# Altium PCB OpenRec.PcbDoc (part 1 of 4) (continued)
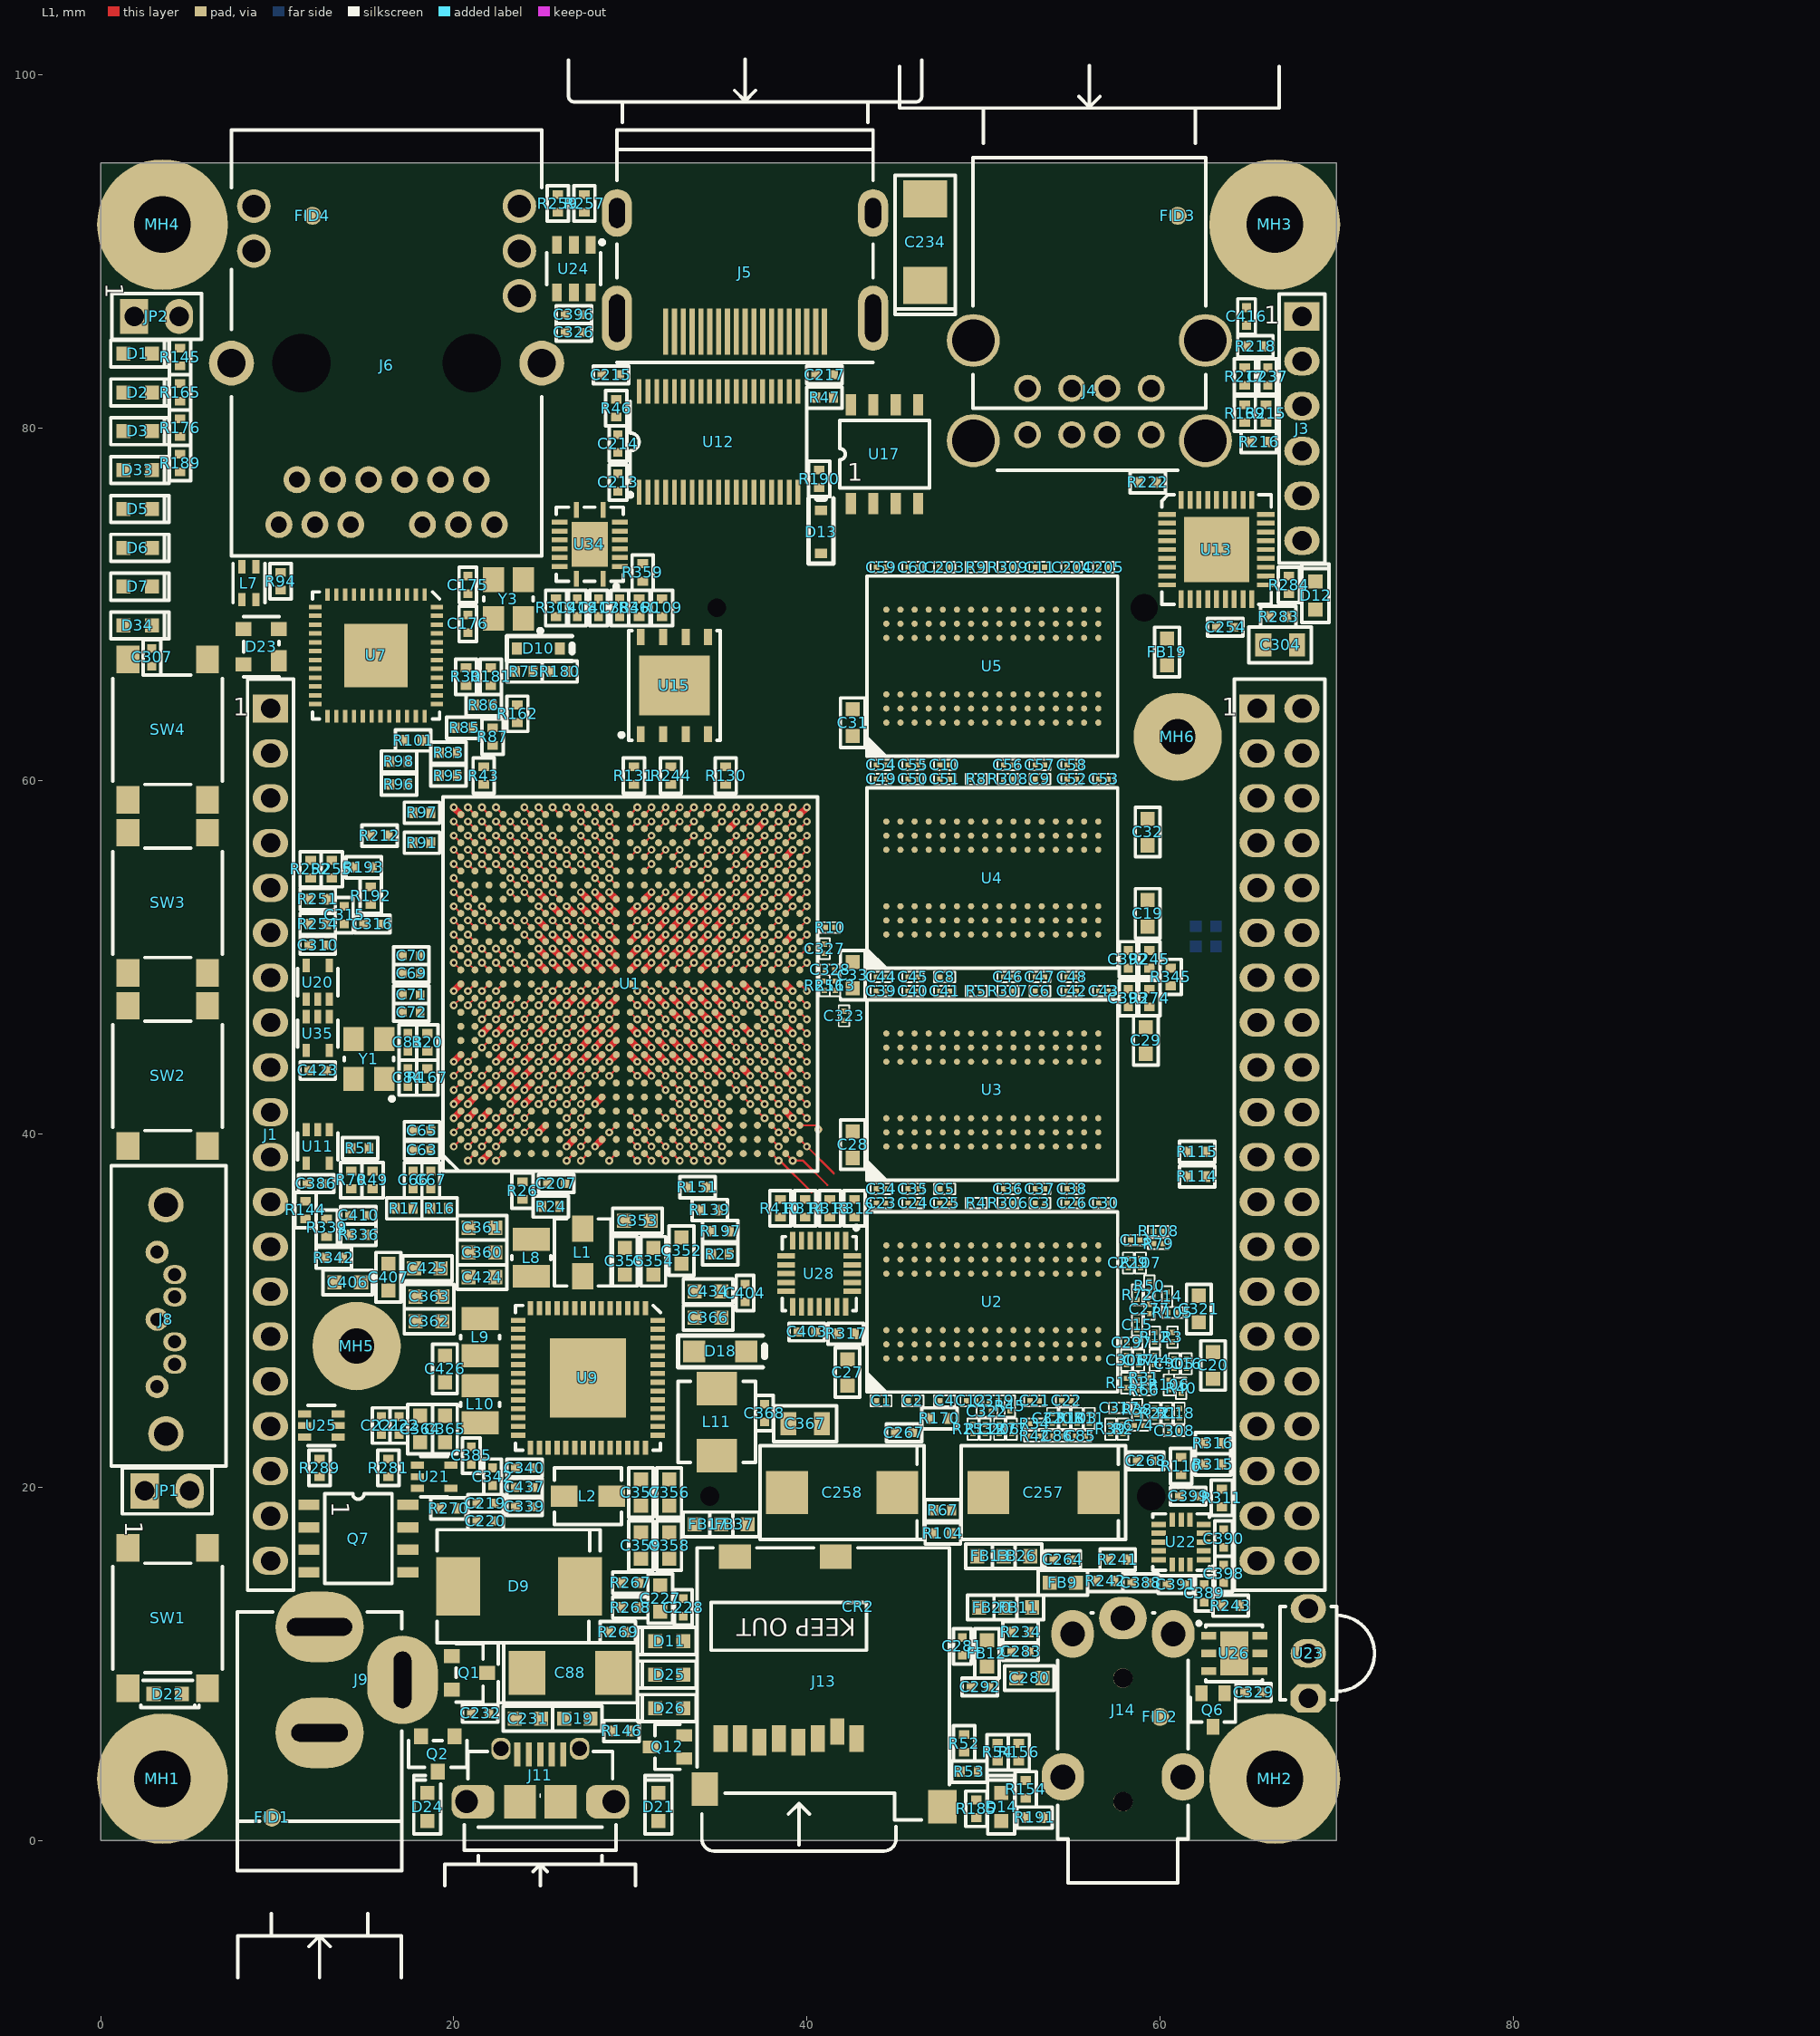
[diagram p0: L1 view]
## Design rules (kind name [scope] priority, off if disabled: settings) (continued)
Width DiffPair_DIFF90Width [InDifferentialPairClass('DIFF90')] p2: maxlimit=0.2 minlimit=0.114 preferedwidth=0.2 toplayer_maxwidth=0.114 toplayer_prefwidth=0.114 midlayer1_minwidth=0.13 midlayer1_maxwidth=0.13 midlayer1_prefwidth=0.13 midlayer2_minwidth=0.2 midlayer3_minwidth=0.2 midlayer4_minwidth=0.13 midlayer4_maxwidth=0.13 midlayer4_prefwidth=0.13 midlayer5_minwidth=0.2 midlayer6_minwidth=0.2 bottomlayer_maxwidth=0.114 bottomlayer_prefwidth=0.114 substack1={54A04105-FA12-4290-B534-276521ACAEA2} substack2={CB435ABD-4C74-406A-9DA6-1760DBE9B1C2} minimp=50.000000 maximp=50.000000 favimp=50.000000
Width "Width Power" [InNet('+VIN') OR InNet('+5V') OR InNet('+3V3') OR InNet('+1V5_DDR') OR InNet('+1V375_CORE') OR InNet('+1V375_SOC') OR InNet('+2V5')] p3: maxlimit=4 minlimit=0.2 preferedwidth=0.4 substack1={54A04105-FA12-4290-B534-276521ACAEA2} substack2={CB435ABD-4C74-406A-9DA6-1760DBE9B1C2}
Width "Width Ground" [InNet('GND')] p4: maxlimit=40 minlimit=0.23 preferedwidth=0.4 substack1={54A04105-FA12-4290-B534-276521ACAEA2} substack2={CB435ABD-4C74-406A-9DA6-1760DBE9B1C2}
Width [All] p5: maxlimit=2 minlimit=0.114 preferedwidth=0.15 toplayer_prefwidth=0.12 midlayer1_minwidth=0.12 midlayer1_prefwidth=0.12 midlayer2_minwidth=0.15 midlayer3_minwidth=0.15 midlayer4_minwidth=0.12 midlayer4_prefwidth=0.12 midlayer5_minwidth=0.15 midlayer6_minwidth=0.15 bottomlayer_prefwidth=0.12 substack1={54A04105-FA12-4290-B534-276521ACAEA2} substack2={CB435ABD-4C74-406A-9DA6-1760DBE9B1C2} minimp=50.000000 maximp=50.000000 favimp=50.000000
20 further rules are at their usual default settings.

## Classes and differential pairs
component class "Room Definition 1": U1
net class VID_IN_CSI1: I2C3_CSI1_SCL I2C3_CSI1_SDA VID_IN_CSI1_D0 VID_IN_CSI1_D1 VID_IN_CSI1_D2 VID_IN_CSI1_D3 VID_IN_CSI1_D4 VID_IN_CSI1_D5 VID_IN_CSI1_D6 VID_IN_CSI1_D7 VID_IN_CSI1_D8 VID_IN_CSI1_D9 VID_IN_CSI1_D10 VID_IN_CSI1_D11 VID_IN_CSI1_D12 VID_IN_CSI1_D13 VID_IN_CSI1_D14 VID_IN_CSI1_D15 VID_IN_CSI1_D16 VID_IN_CSI1_D17 VID_IN_CSI1_D18 VID_IN_CSI1_D19 VID_IN_CSI1_DE VID_IN_CSI1_HSYNC VID_IN_CSI1_INT VID_IN_CSI1_INT2 VID_IN_CSI1_PIXCLK VID_IN_CSI1_PIXCLK_R VID_IN_CSI1_RSTN_R VID_IN_CSI1_VSYNC
net class SD2: SD2_ACT SD2_CD SD2_CLK SD2_CLK_R SD2_CMD SD2_CMD_R SD2_DATA0 SD2_DATA1 SD2_DATA2 SD2_DATA3 SD2_WP
net class UART5: UART5_RXD UART5_TXD
net class UART4: UART4_RXD UART4_TXD
net class UART3: UART3_CTS UART3_RTS UART3_RXD UART3_TXD
net class UART2: UART2_RXD UART2_TXD
net class I2C3: I2C3_SCL I2C3_SDA
net class I2C2: I2C2_SCL I2C2_SDA
net class I2C1: I2C1_SCL I2C1_SDA
net class CSPI3: CSPI3_CLK CSPI3_CLK_R CSPI3_CS0 CSPI3_CS2 CSPI3_MCU_CLK CSPI3_MCU_CS0 CSPI3_MCU_ENN CSPI3_MCU_MISO CSPI3_MCU_MOSI CSPI3_MISO CSPI3_MOSI
net class CSPI2: CSPI2_CLK CSPI2_CLK_R CSPI2_CS0 CSPI2_MISO CSPI2_MOSI
net class CSPI1: CSPI1_CLK CSPI1_CLK_R CSPI1_CS0 CSPI1_CS1 CSPI1_MISO CSPI1_MOSI
net class AUD3: AUD3_CLK AUD3_CLK_R AUD3_RXD AUD3_TXC AUD3_TXC_R AUD3_TXD AUD3_TXFS
net class TS: TS_X+ TS_X- TS_Y+ TS_Y-
net class "CSI / LVDS": CSI_CLK0_R_N CSI_CLK0_R_P CSI_D0_R_N CSI_D0_R_P CSI_D1_R_N CSI_D1_R_P I2C2_CSI_SCL I2C2_CSI_SDA LVDS0_CLK_R_N LVDS0_CLK_R_P
differential pair class DIFF100: CAN CSI_CLK0 CSI_CLK0_R CSI_D0 CSI_D0_R CSI_D1 CSI_D1_R DRAM_CLK0 DRAM_CLK1 DRAM_DQS0 DRAM_DQS1 DRAM_DQS2 DRAM_DQS3 DRAM_DQS4 DRAM_DQS5 DRAM_DQS6 DRAM_DQS7 HDMI_CLK HDMI_D0 HDMI_D1 HDMI_D2 LVDS0_CLK LVDS0_CLK_R LVDS0_TX0 LVDS0_TX1 LVDS0_TX2 LVDS0_TX3 PCIE_CLK PCIE_CLK_C SATA_C_RX SATA_C_TX SATA_RX SATA_TX TRD0 TRD1 TRD2 TRD3
differential pair class DIFF90: PCIE_C_TX PCIE_RX PCIE_TX USB0 USB0_OTG USB0_OTG_L USB1 USB1_HUB USB_BOT USB_BOT_L USB_HDR USB_HDR_L USB_MCU USB_MCU_R USB_MPCIE USB_MPCIE_L USB_TOP USB_TOP_L USBDN1 USBDN2 USBDN3
net class USB1: USB1_HUB_N USB1_HUB_P USB1_N USB1_P USB_BOT_L_N USB_BOT_L_P USB_BOT_N USB_BOT_P USB_HDR_L_N USB_HDR_L_P USB_HDR_N USB_HDR_P USB_MCU_N USB_MCU_P USB_MCU_R_N USB_MCU_R_P USB_MPCIE_L_N USB_MPCIE_L_P USB_MPCIE_N USB_MPCIE_OC USB_MPCIE_P USB_TOP_L_N USB_TOP_L_P USB_TOP_N USB_TOP_P USBDN1_N USBDN1_OC USBDN1_P USBDN1_PWR_EN USBDN2_N USBDN2_OC USBDN2_P USBDN2_PWR_EN USBDN3_N USBDN3_OC USBDN3_P
net class USB0: USB0_CHD USB0_ID USB0_ID_BUFF_EN USB0_N USB0_OTG_L_N USB0_OTG_L_P USB0_OTG_N USB0_OTG_P USB0_P USB_OC
net class UART1: UART1_CTS UART1_CTS_FTDI UART1_RTS UART1_RTS_FTDI UART1_RXD UART1_RXD_FTDI UART1_TXD UART1_TXD_FTDI
net class SATA: SATA_C_RX_N SATA_C_RX_P SATA_C_TX_N SATA_C_TX_P SATA_REXT SATA_RX_N SATA_RX_P SATA_TX_N SATA_TX_P
net class DIFF100: CAN_N CAN_P CSI_CLK0_N CSI_CLK0_P CSI_CLK0_R_N CSI_CLK0_R_P CSI_D0_N CSI_D0_P CSI_D0_R_N CSI_D0_R_P CSI_D1_N CSI_D1_P CSI_D1_R_N CSI_D1_R_P DRAM_CLK0_N DRAM_CLK0_P DRAM_CLK1_N DRAM_CLK1_P DRAM_DQS0_N DRAM_DQS0_P DRAM_DQS1_N DRAM_DQS1_P DRAM_DQS2_N DRAM_DQS2_P DRAM_DQS3_N DRAM_DQS3_P DRAM_DQS4_N DRAM_DQS4_P DRAM_DQS5_N DRAM_DQS5_P DRAM_DQS6_N DRAM_DQS6_P DRAM_DQS7_N DRAM_DQS7_P HDMI_CLK_N HDMI_CLK_P HDMI_D0_N HDMI_D0_P HDMI_D1_N HDMI_D1_P HDMI_D2_N HDMI_D2_P LVDS0_CLK_N LVDS0_CLK_P LVDS0_CLK_R_N LVDS0_CLK_R_P LVDS0_TX0_N LVDS0_TX0_P LVDS0_TX1_N LVDS0_TX1_P LVDS0_TX2_N LVDS0_TX2_P LVDS0_TX3_N LVDS0_TX3_P PCIE_CLK_C_N PCIE_CLK_C_P PCIE_CLK_N PCIE_CLK_P SATA_C_RX_N SATA_C_RX_P SATA_C_TX_N SATA_C_TX_P SATA_RX_N SATA_RX_P SATA_TX_N SATA_TX_P TRD0_N TRD0_P TRD1_N TRD1_P TRD2_N TRD2_P TRD3_N TRD3_P
net class DIFF90: PCIE_C_TX_N PCIE_C_TX_P PCIE_RX_N PCIE_RX_P PCIE_TX_N PCIE_TX_P USB0_N USB0_OTG_L_N USB0_OTG_L_P USB0_OTG_N USB0_OTG_P USB0_P USB1_HUB_N USB1_HUB_P USB1_N USB1_P USB_BOT_L_N USB_BOT_L_P USB_BOT_N USB_BOT_P USB_HDR_L_N USB_HDR_L_P USB_HDR_N USB_HDR_P USB_MCU_N USB_MCU_P USB_MCU_R_N USB_MCU_R_P USB_MPCIE_L_N USB_MPCIE_L_P USB_MPCIE_N USB_MPCIE_P USB_TOP_L_N USB_TOP_L_P USB_TOP_N USB_TOP_P USBDN1_N USBDN1_P USBDN2_N USBDN2_P USBDN3_N USBDN3_P
net class GPIO: CPU_GPIO0 CPU_GPIO1 CPU_GPIO2
net class PCIE: PCIE_C_TX_N PCIE_C_TX_P PCIE_CLK_C_N PCIE_CLK_C_P PCIE_CLK_N PCIE_CLK_P PCIE_RSTN_R PCIE_RX_N PCIE_RX_P PCIE_TX_N PCIE_TX_P PCIE_WAKE PCIE_WDISN
net class FLEXCAN: CAN_N CAN_P FLEXCAN1_RX FLEXCAN1_STBY FLEXCAN1_TX FLEXCAN2_RX FLEXCAN2_TX SPLIT_R
net class BUTTONS: USER_BTN_1 USER_BTN_2 USER_BTN_3
net class MIPI_CSI: CSI_CLK0_N CSI_CLK0_P CSI_D0_N CSI_D0_P CSI_D1_N CSI_D1_P CSI_GPIO0 CSI_GPIO1 CSI_REXT
net class DRAM_A[15..0]: DRAM_A0 DRAM_A1 DRAM_A2 DRAM_A3 DRAM_A4 DRAM_A5 DRAM_A6 DRAM_A7 DRAM_A8 DRAM_A9 DRAM_A10 DRAM_A11 DRAM_A12 DRAM_A13 DRAM_A14 DRAM_A15
net class DRAM_ADDR_CTRL: DRAM_A0 DRAM_A1 DRAM_A2 DRAM_A3 DRAM_A4 DRAM_A5 DRAM_A6 DRAM_A7 DRAM_A8 DRAM_A9 DRAM_A10 DRAM_A11 DRAM_A12 DRAM_A13 DRAM_A14 DRAM_A15 DRAM_CAS_B DRAM_CS0_B DRAM_RAS_B DRAM_RESET_B DRAM_SDBA0 DRAM_SDBA1 DRAM_SDBA2 DRAM_SDCKE0 DRAM_SDODT0 DRAM_WE_B
net class DRAM_BANK0: DRAM_D0 DRAM_D1 DRAM_D2 DRAM_D3 DRAM_D4 DRAM_D5 DRAM_D6 DRAM_D7 DRAM_DQM0 DRAM_DQS0_N DRAM_DQS0_P
net class DRAM_BANK1: DRAM_D8 DRAM_D9 DRAM_D10 DRAM_D11 DRAM_D12 DRAM_D13 DRAM_D14 DRAM_D15 DRAM_DQM1 DRAM_DQS1_N DRAM_DQS1_P
net class DRAM_BANK2: DRAM_D16 DRAM_D17 DRAM_D18 DRAM_D19 DRAM_D20 DRAM_D21 DRAM_D22 DRAM_D23 DRAM_DQM2 DRAM_DQS2_N DRAM_DQS2_P
net class DRAM_BANK3: DRAM_D24 DRAM_D25 DRAM_D26 DRAM_D27 DRAM_D28 DRAM_D29 DRAM_D30 DRAM_D31 DRAM_DQM3 DRAM_DQS3_N DRAM_DQS3_P
net class DRAM_BANK4: DRAM_D32 DRAM_D33 DRAM_D34 DRAM_D35 DRAM_D36 DRAM_D37 DRAM_D38 DRAM_D39 DRAM_DQM4 DRAM_DQS4_N DRAM_DQS4_P
net class DRAM_BANK5: DRAM_D40 DRAM_D41 DRAM_D42 DRAM_D43 DRAM_D44 DRAM_D45 DRAM_D46 DRAM_D47 DRAM_DQM5 DRAM_DQS5_N DRAM_DQS5_P
net class DRAM_BANK6: DRAM_D48 DRAM_D49 DRAM_D50 DRAM_D51 DRAM_D52 DRAM_D53 DRAM_D54 DRAM_D55 DRAM_DQM6 DRAM_DQS6_N DRAM_DQS6_P
net class DRAM_BANK7: DRAM_D56 DRAM_D57 DRAM_D58 DRAM_D59 DRAM_D60 DRAM_D61 DRAM_D62 DRAM_D63 DRAM_DQM7 DRAM_DQS7_N DRAM_DQS7_P
net class DRAM_D[63..0]: DRAM_D0 DRAM_D1 DRAM_D2 DRAM_D3 DRAM_D4 DRAM_D5 DRAM_D6 DRAM_D7 DRAM_D8 DRAM_D9 DRAM_D10 DRAM_D11 DRAM_D12 DRAM_D13 DRAM_D14 DRAM_D15 DRAM_D16 DRAM_D17 DRAM_D18 DRAM_D19 DRAM_D20 DRAM_D21 DRAM_D22 DRAM_D23 DRAM_D24 DRAM_D25 DRAM_D26 DRAM_D27 DRAM_D28 DRAM_D29 DRAM_D30 DRAM_D31 DRAM_D32 DRAM_D33 DRAM_D34 DRAM_D35 DRAM_D36 DRAM_D37 DRAM_D38 DRAM_D39 DRAM_D40 DRAM_D41 DRAM_D42 DRAM_D43 DRAM_D44 DRAM_D45 DRAM_D46 DRAM_D47 DRAM_D48 DRAM_D49 DRAM_D50 DRAM_D51 DRAM_D52 DRAM_D53 DRAM_D54 DRAM_D55 DRAM_D56 DRAM_D57 DRAM_D58 DRAM_D59 DRAM_D60 DRAM_D61 DRAM_D62 DRAM_D63
net class DRAM_OTHERS: ZQPAD
net class DRAM_SDCLK: DRAM_CLK0_N DRAM_CLK0_P DRAM_CLK1_N DRAM_CLK1_P
net class ENET: ENET_LED_LINK ENET_LED_RX LED1 LED2 TRD0_N TRD0_P TRD1_N TRD1_P TRD2_N TRD2_P TRD3_N TRD3_P
net class GPIO_MISC: COMP_INT GPIO_OR_CLK GYRO_INT IR_RCV MCU_ISPN MCU_RSTINN MCU_SWDIO MCU_SWDIO_SEL TEMP_ALERT
net class HDMI: HDMI_CEC HDMI_CEC_CON HDMI_CEC_IN HDMI_CLK_N HDMI_CLK_P HDMI_D0_N HDMI_D0_P HDMI_D1_N HDMI_D1_P HDMI_D2_N HDMI_D2_P HDMI_DDC HDMI_HPD HDMI_HPD_BUFF HDMI_HPD_CON HDMI_HPD_R HDMI_SCL_CON HDMI_SCL_CON_R HDMI_SDA_CON HDMI_SDA_CON_R
net class JTAG: JTAG_MOD JTAG_NTRST JTAG_TCK JTAG_TCK_R JTAG_TDI JTAG_TDI_R JTAG_TDO JTAG_TDO_R JTAG_TMS
net class LVDS: LVDS0_CLK_N LVDS0_CLK_P LVDS0_TX0_N LVDS0_TX0_P LVDS0_TX1_N LVDS0_TX1_P LVDS0_TX2_N LVDS0_TX2_P LVDS0_TX3_N LVDS0_TX3_P
net class PWM: GPIO_OR_PWM_1 GPIO_OR_PWM_2 GPIO_OR_PWM_3 GPIO_OR_PWM_4
net class RGMII_MISC: ENET_REF_CLK ENET_REF_CLK_R ETH_ISET RGMII_INT RGMII_INT_R RGMII_MDC RGMII_MDIO RGMII_R_MDC RGMII_R_MDIO
net class RGMII_RXD: RGMII_R_RXCLK RGMII_RXCLK RGMII_RXD0 RGMII_RXD1 RGMII_RXD2 RGMII_RXD3 RGMII_RXDV
net class RGMII_TXD: RGMII_R_TXCLK RGMII_TXCLK RGMII_TXD0 RGMII_TXD1 RGMII_TXD2 RGMII_TXD3 RGMII_TXEN
net class SIM: +MPCIE_SIM_PWR +MPCIE_SIM_VPP MPCIE_SIM_C4 MPCIE_SIM_C4_R MPCIE_SIM_C8 MPCIE_SIM_C8_R MPCIE_SIM_CLK MPCIE_SIM_DATA MPCIE_SIM_RST
net class USER_LEDS: USER_LED_1 USER_LED_2 USER_LED_3 USER_LED_4 USER_LED_5 USER_LED_6 USER_LED_7 USER_LED_8
differential pair CAN: +CAN_P -CAN_N
differential pair CSI_D1_R: +CSI_D1_R_P -CSI_D1_R_N
differential pair CSI_D0_R: +CSI_D0_R_P -CSI_D0_R_N
differential pair CSI_CLK0_R: +CSI_CLK0_R_P -CSI_CLK0_R_N
differential pair USB_MCU_R: +USB_MCU_R_P -USB_MCU_R_N
differential pair USBDN3: +USBDN3_P -USBDN3_N
differential pair USB_MCU: +USB_MCU_P -USB_MCU_N
differential pair LVDS0_CLK_R: +LVDS0_CLK_R_P -LVDS0_CLK_R_N
differential pair USB0: +USB0_P -USB0_N
differential pair TRD3: +TRD3_P -TRD3_N
differential pair TRD2: +TRD2_P -TRD2_N
differential pair TRD1: +TRD1_P -TRD1_N
differential pair TRD0: +TRD0_P -TRD0_N
differential pair SATA_TX: +SATA_TX_P -SATA_TX_N
differential pair SATA_RX: +SATA_RX_P -SATA_RX_N
differential pair CSI_CLK0: +CSI_CLK0_P -CSI_CLK0_N
differential pair CSI_D0: +CSI_D0_P -CSI_D0_N
differential pair CSI_D1: +CSI_D1_P -CSI_D1_N
differential pair USB1: +USB1_P -USB1_N
differential pair USB_MPCIE: +USB_MPCIE_P -USB_MPCIE_N
differential pair PCIE_CLK: +PCIE_CLK_P -PCIE_CLK_N
differential pair PCIE_RX: +PCIE_RX_P -PCIE_RX_N
differential pair PCIE_TX: +PCIE_TX_P -PCIE_TX_N
differential pair DRAM_CLK0: +DRAM_CLK0_P -DRAM_CLK0_N
differential pair DRAM_CLK1: +DRAM_CLK1_P -DRAM_CLK1_N
differential pair DRAM_DQS0: +DRAM_DQS0_P -DRAM_DQS0_N
differential pair DRAM_DQS1: +DRAM_DQS1_P -DRAM_DQS1_N
differential pair DRAM_DQS2: +DRAM_DQS2_P -DRAM_DQS2_N
differential pair DRAM_DQS3: +DRAM_DQS3_P -DRAM_DQS3_N
differential pair DRAM_DQS4: +DRAM_DQS4_P -DRAM_DQS4_N
differential pair DRAM_DQS5: +DRAM_DQS5_P -DRAM_DQS5_N
differential pair DRAM_DQS6: +DRAM_DQS6_P -DRAM_DQS6_N
differential pair DRAM_DQS7: +DRAM_DQS7_P -DRAM_DQS7_N
differential pair HDMI_CLK: +HDMI_CLK_P -HDMI_CLK_N
differential pair HDMI_D0: +HDMI_D0_P -HDMI_D0_N
differential pair HDMI_D1: +HDMI_D1_P -HDMI_D1_N
differential pair HDMI_D2: +HDMI_D2_P -HDMI_D2_N
differential pair LVDS0_CLK: +LVDS0_CLK_P -LVDS0_CLK_N
differential pair LVDS0_TX0: +LVDS0_TX0_P -LVDS0_TX0_N
differential pair LVDS0_TX1: +LVDS0_TX1_P -LVDS0_TX1_N
differential pair LVDS0_TX2: +LVDS0_TX2_P -LVDS0_TX2_N
differential pair LVDS0_TX3: +LVDS0_TX3_P -LVDS0_TX3_N
differential pair PCIE_C_TX: +PCIE_C_TX_P -PCIE_C_TX_N
differential pair PCIE_CLK_C: +PCIE_CLK_C_P -PCIE_CLK_C_N
differential pair SATA_C_RX: +SATA_C_RX_P -SATA_C_RX_N
differential pair SATA_C_TX: +SATA_C_TX_P -SATA_C_TX_N
differential pair USBDN1: +USBDN1_P -USBDN1_N
differential pair USBDN2: +USBDN2_P -USBDN2_N
differential pair USB_HDR: +USB_HDR_P -USB_HDR_N
differential pair USB_HDR_L: +USB_HDR_L_P -USB_HDR_L_N
differential pair USB_MPCIE_L: +USB_MPCIE_L_P -USB_MPCIE_L_N
differential pair USB0_OTG_L: +USB0_OTG_L_P -USB0_OTG_L_N
differential pair USB0_OTG: +USB0_OTG_P -USB0_OTG_N
differential pair USB1_HUB: +USB1_HUB_P -USB1_HUB_N
differential pair USB_BOT_L: +USB_BOT_L_P -USB_BOT_L_N
differential pair USB_BOT: +USB_BOT_P -USB_BOT_N
differential pair USB_TOP_L: +USB_TOP_L_P -USB_TOP_L_N
differential pair USB_TOP: +USB_TOP_P -USB_TOP_N

## Components (designator, comment, footprint, x,y, rotation, side; value= is the part's Value field where it differs from the comment)
C1 "220n" C0201 44.2,24.9 r0 top
C2 "220n" C0201 46,24.9 r180 top
C3 "220n" C0201 53.2,36.1 r180 top
C4 "220n" C0201 47.8,24.9 r0 top
C5 "220n" C0201 47.8,36.9 r180 top
C6 "220n" C0201 53.2,48.1 r180 top
C7 "100n" C0201 93.988,46.929 r0 bottom
C8 "220n" C0201 47.8,48.9 r180 top
C9 "220n" C0201 53.2,60.1 r180 top
C10 "220n" C0201 47.8,60.9 r180 top
C11 "220n" C0201 53.2,72.1 r180 top
C12 "220n" C0201 49.3,24.9 r180 top
C13 "100n" C0201 58.6,34 r0 top
C14 "100n" C0201 60.4,30.8 r270 top
C15 "100n" C0201 58.7,29.2 r270 top
C16 "100n" C0201 61.5,27 r270 top
C17 "100n" C0201 58.8,27.2 r270 top
C18 "100n" C0201 61.1,24.2 r270 top
C19 "10u" C0603 59.3,52.5 r90 top
C20 "22u" C0603 63,26.9 r90 top
C21 "220n" C0201 52.9,24.9 r180 top
C22 "220n" C0201 54.7,24.9 r180 top
C23 "220n" C0201 44.2,36.1 r180 top
C24 "220n" C0201 46,36.1 r180 top
C25 "220n" C0201 47.8,36.1 r180 top
C26 "220n" C0201 55,36.1 r0 top
C27 "22u" C0603 42.3,26.5 r270 top
C28 "22u" C0603 42.6,39.4 r90 top
C29 "22u" C0603 59.2,45.3 r270 top
C30 "220n" C0201 56.8,36.1 r0 top
C31 "22u" C0603 42.6,63.3 r90 top
C32 "22u" C0603 59.3,57.1 r270 top
C33 "22u" C0603 42.6,49 r270 top
C34 "220n" C0201 44.2,36.9 r0 top
C35 "220n" C0201 46,36.9 r180 top
C36 "220n" C0201 51.4,36.9 r180 top
C37 "220n" C0201 53.2,36.9 r180 top
C38 "220n" C0201 55,36.9 r180 top
C39 "220n" C0201 44.2,48.1 r180 top
C40 "220n" C0201 46,48.1 r180 top
C41 "220n" C0201 47.8,48.1 r180 top
C42 "220n" C0201 55,48.1 r0 top
C43 "220n" C0201 56.8,48.1 r0 top
C44 "220n" C0201 44.2,48.9 r0 top
C45 "220n" C0201 46,48.9 r180 top
C46 "220n" C0201 51.4,48.9 r180 top
C47 "220n" C0201 53.2,48.9 r180 top
C48 "220n" C0201 55,48.9 r180 top
C49 "220n" C0201 44.2,60.1 r180 top
C50 "220n" C0201 46,60.1 r180 top
C51 "220n" C0201 47.8,60.1 r180 top
C52 "220n" C0201 55,60.1 r0 top
C53 "220n" C0201 56.8,60.1 r0 top
C54 "220n" C0201 44.2,60.9 r0 top
C55 "220n" C0201 46,60.9 r180 top
C56 "220n" C0201 51.4,60.9 r180 top
C57 "220n" C0201 53.2,60.9 r180 top
C58 "220n" C0201 55,60.9 r180 top
C59 "220n" C0201 44.2,72.1 r180 top
C60 "220n" C0201 46,72.1 r180 top
C61 "220n" C0201 80.088,50.729 r90 bottom
C62 "220n" C0201 79.088,50.729 r90 bottom
C63 "100n" C0402 18.2,39.1 r180 top
C64 "220n" C0201 78.788,49.729 r180 bottom
C65 "100n" C0402 18.2,40.2 r180 top
C66 "100n" C0402 17.7,37.4 r270 top
C67 "100n" C0402 18.7,37.4 r270 top
C68 "220n" C0201 78.488,50.729 r270 bottom
C69 "10n" C0402 17.6,49.1 r180 top
C70 "10n" C0402 17.6,50.1 r180 top
C71 "10n" C0402 17.6,47.9 r180 top
C72 "10n" C0402 17.6,46.9 r180 top
C73 "220n" C0201 78.788,52.029 r0 bottom
C74 "100n" C0201 58.8,23.5 r180 top
C75 "220n" C0201 78.788,52.629 r0 bottom
C76 "220n" C0201 83.288,50.729 r90 bottom
C77 "220n" C0201 83.888,50.729 r90 bottom
C78 "4u7" C0402 21.8,37.3 r180 bottom
C79 "220n" C0201 89.988,50.429 r0 bottom
C80 "10u" C0603 74.888,53.129 r180 bottom
C81 "220n" C0201 78.688,54.729 r90 bottom
C82 "220n" C0201 80.388,54.229 r0 bottom
C83 "18p" C0402 17.4,45.2 r90 top
C84 "18p" C0402 17.4,43.2 r270 top
C85 "100n" C0201 55.5,22.9 r0 top
C86 "100n" C0201 54.2,22.9 r180 top
C87 "100n" C0402 3.6,38.8 r90 bottom
C88 "100u / 10V" C2312 26.6,9.5 r0 top
C89 "100n" C0402 12.2,37.2 r0 bottom
C90 "220n" C0201 80.688,56.929 r90 bottom
C91 "220n" C0201 81.688,56.929 r90 bottom
C92 "220n" C0201 82.288,56.929 r90 bottom
C93 "220n" C0201 83.288,56.929 r90 bottom
C94 "220n" C0201 83.888,56.929 r90 bottom
C95 "220n" C0201 86.488,56.929 r90 bottom
C96 "22u" C0603_small 80.388,55.529 r180 bottom
C97 "220n" C0201 81.688,54.129 r270 bottom
C98 "220n" C0201 82.288,54.129 r270 bottom
C99 "220n" C0201 83.588,54.229 r180 bottom
C100 "220n" C0201 86.388,54.029 r270 bottom
C101 "22u" C0603_small 82.988,55.529 r0 bottom
C102 "220n" C0201 81.688,52.929 r270 bottom
C103 "220n" C0201 82.288,52.929 r270 bottom
C104 "220n" C0201 83.588,52.829 r180 bottom
C105 "220n" C0201 86.388,52.829 r270 bottom
C106 "22u" C0603_small 85.188,53.729 r90 bottom
C107 "220n" C0201 83.288,51.929 r90 bottom
C108 "220n" C0201 83.888,51.929 r90 bottom
C109 "220n" C0201 86.488,51.529 r270 bottom
C110 "220n" C0201 87.088,51.529 r270 bottom
C111 "22u" C0603_small 85.188,51.129 r270 bottom
C112 "220n" C0201 87.188,52.829 r90 bottom
C113 "220n" C0201 88.088,52.829 r90 bottom
C114 "220n" C0201 87.188,54.029 r270 bottom
C115 "220n" C0201 88.088,54.029 r270 bottom
C116 "220n" C0201 87.088,56.929 r90 bottom
C117 "220n" C0201 88.088,56.929 r90 bottom
C118 "22u" C0603_small 87.288,55.529 r180 bottom
C119 "220n" C0201 80.688,58.129 r270 bottom
C120 "220n" C0201 81.688,58.129 r270 bottom
C121 "220n" C0201 82.288,58.129 r270 bottom
C122 "220n" C0201 83.288,58.129 r270 bottom
C123 "220n" C0201 83.888,58.129 r270 bottom
C124 "220n" C0201 86.488,58.129 r90 bottom
C125 "220n" C0201 87.088,58.129 r90 bottom
C126 "220n" C0201 88.088,58.129 r90 bottom
C127 "22u" C0603_small 85.188,56.329 r270 bottom
C128 "22u" C0603_small 78.188,59.529 r180 bottom
C129 "22u" C0603_small 80.388,63.329 r90 bottom
C130 "220n" C0201 80.688,59.529 r90 bottom
C131 "220n" C0201 81.688,59.329 r90 bottom
C132 "220n" C0201 82.288,59.329 r90 bottom
C133 "220n" C0201 83.288,59.329 r90 bottom
C134 "220n" C0201 83.888,59.329 r90 bottom
C135 "22u" C0603_small 85.188,58.929 r90 bottom
C136 "220n" C0201 80.688,50.729 r270 bottom
C137 "22u" C0603 74.888,54.729 r180 bottom
C138 "220n" C0201 83.588,53.629 r180 bottom
C139 "10n" C0201 80.688,53.129 r90 bottom
C140 "220n" C0201 81.988,52.029 r0 bottom
C141 "22u" C0603 78.788,46.029 r270 bottom
C142 "220n" C0201 80.088,53.129 r270 bottom
C143 "220n" C0201 80.388,52.029 r180 bottom
C144 "220n" C0201 85.288,60.729 r0 bottom
C145 "220n" C0201 85.188,49.429 r0 bottom
C146 "220n" C0201 83.588,60.329 r180 bottom
C147 "22u" C0603 85.188,62.529 r90 bottom
C148 "22u" C0603 76.788,57.929 r180 bottom
C149 "220n" C0201 82.288,50.729 r90 bottom
C150 "220n" C0201 77.488,50.729 r270 bottom
C151 "22u" C0603 75.688,49.129 r180 bottom
C152 "220n" C0201 80.088,59.529 r90 bottom
C153 "220n" C0402 16.6,57.2 r180 bottom
C154 "220n" C0201 80.088,58.129 r270 bottom
C155 "220n" C0201 86.788,60.329 r0 bottom
C156 "22u" C0603 87.688,62.729 r0 bottom
C157 "220n" C0201 89.988,51.029 r0 bottom
C158 "220n" C0201 89.188,52.629 r0 bottom
C159 "220n" C0201 89.188,53.629 r0 bottom
C160 "220n" C0201 89.188,54.229 r0 bottom
C161 "220n" C0201 89.288,57.129 r90 bottom
C162 "220n" C0201 88.688,56.929 r90 bottom
C163 "220n" C0201 86.788,50.429 r0 bottom
C164 "220n" C0201 78.653,56.329 r270 bottom
C165 "220n" C0201 80.088,56.929 r90 bottom
C166 "220n" C0201 81.988,60.329 r180 bottom
C167 "220n" C0201 89.688,59.529 r90 bottom
C168 "220n" C0201 88.388,59.029 r0 bottom
C169 "220n" C0201 88.688,58.129 r90 bottom
C170 "220n" C0201 86.488,59.329 r270 bottom
C171 "220n" C0201 87.088,59.329 r270 bottom
C172 "22u" C0603_small 89.888,55.529 r0 bottom
C173 "22u" C0603_small 88.388,60.729 r90 bottom
C174 "220n" C0201 81.688,50.729 r90 bottom
C175 "22pF" C0402 20.8,71.1 r90 top
C176 "22pF" C0402 20.8,68.9 r270 top
C177 "22pF" C0402 9.2,10.7 r270 bottom
C178 "22pF" C0402 6.7,10.1 r270 bottom
C179 "22pF" C0402 6.7,14.3 r90 bottom
C180 "10u" C0603 13.1,65.5 r0 bottom
C181 "100n" C0402 10.4,69.6 r180 bottom
C182 "10n" C0402 12.7,68.8 r0 bottom
C183 "10n" C0402 12.7,66.8 r0 bottom
C184 "10n" C0402 12.5,64.1 r0 bottom
C185 "10n" C0402 14.5,64.1 r0 bottom
C186 "10u" C0603 15.3,72 r180 bottom
C187 "100n" C0402 15.5,70 r270 bottom
C188 "10n" C0402 14.5,70 r270 bottom
C189 "10n" C0402 16.5,70 r270 bottom
C190 "100n" C0402 12.3,70.5 r270 bottom
C191 "10u" C0603 21.8,69.6 r0 bottom
C192 "100n" C0402 20.3,67.8 r270 bottom
C193 "10n" C0402 18.6,67.2 r180 bottom
C194 "10u" C0603 14.9,60.4 r270 bottom
C195 "100n" C0402 10.4,68.4 r180 bottom
C196 "10n" C0402 18.6,66.1 r180 bottom
C197 "10n" C0402 17.1,64.1 r90 bottom
C198 "10n" C0402 12.7,67.8 r0 bottom
C199 "10u" C0603 21.8,71.1 r0 bottom
C200 "10n" C0402 13.4,70.5 r270 bottom
C201 "10n" C0402 18.6,68.3 r180 bottom
C202 "10n" C0402 17.7,70 r270 bottom
C203 "220n" C0201 47.8,72.1 r180 top
C204 "220n" C0201 55,72.1 r0 top
C205 "220n" C0201 56.8,72.1 r0 top
C206 "100n" C0201 50.9,23.3 r90 top
C207 "100n" C0402 25.8,37.2 r180 top
C208 "4u7" C0402 88.288,51.029 r90 bottom
C209 "4u7" C0402 18.4,51.8 r270 bottom
C210 "22pF" C0402 9.2,12.7 r270 bottom
C211 "18p" C0201 75.088,50.929 r270 bottom
C212 "18p" C0201 75.588,51.829 r0 bottom
C213 "100n" C0402 29.3,76.9 r90 top
C214 "100n" C0402 29.3,79.1 r270 top
C215 "100n" C0402 28.9,83 r180 top
C216 "100n" C0402 40.4,87.7 r180 bottom
C217 "100n" C0402 41,83 r0 top
C218 "100n" C0402 54.4,26 r0 bottom
C219 "100n" C0402 21.8,19.1 r180 top
C220 "10n" C0402 21.8,18.1 r180 top
C221 "100n" C0402 15.9,23.5 r270 top
C222 "10n" C0402 16.9,23.5 r270 top
C223 "18p" C0402 23.5,20.5 r270 bottom
C224 "18p" C0402 23.4,18.2 r90 bottom
C225 "10u" C0603 6.8,59.6 r0 bottom
C226 "100n" C0402 6.7,60.9 r0 bottom
C227 "10u" C0603 31.7,13.7 r270 top
C228 "100n" C0402 33,13.2 r270 top
C229 "100n" C0201 58.2,32.7 r270 top
C230 "100n" C0402 11,3.3 r180 bottom
C231 "10u" C0603 24.2,6.9 r0 top
C232 "100n" C0402 21.5,7.2 r180 top
C233 "100u / 10V" C2312 46.7,90.5 r90 bottom
C234 "100u / 10V" C2312 46.7,90.5 r90 top
C235 "100n" C0402 52.7,87.6 r180 bottom
C236 "100n" C0402 57.7,75.8 r0 bottom
C237 "1u" C0402 66.1,82.9 r90 top
C238 "100u / 10V" C2312 7.4,72.1 r90 bottom
C239 "10u" C0603 12.9,79.5 r90 bottom
C240 "10u" C0603 18.8,80.7 r90 bottom
C241 "560pF" C0402 18.4,78.6 r180 bottom
C242 "18p" C0402 64.3,76.5 r0 bottom
C243 "100n" C0402 64.6,70.6 r90 bottom
C244 "4u7" C0402 82.888,44.629 r0 bottom
C245 "4u7" C0402 63.4,70.6 r270 bottom
C246 "4u7" C0402 83.888,45.729 r180 bottom
C247 "4u7" C0402 31,37.4 r0 bottom
C248 "10n" C0402 16.1,64.1 r90 bottom
C249 "10n" C0402 18.6,65 r180 bottom
C250 "100n" C0402 68,70.8 r0 bottom
C251 "4u7" C0402 68,72 r180 bottom
C252 "100n" C0402 44.1,82.9 r0 bottom
C253 "1u" C0402 59.8,78.1 r180 bottom
C254 "1u" C0402 63.7,68.7 r0 top
C255 "100n" C0402 58.7,74.6 r0 bottom
C256 "100n" C0402 62.2,70.6 r90 bottom
C257 "330u" C2917 53.4,19.7 r180 top locked
C258 "330u" C2917 42,19.7 r180 top locked
C259 "100n" C0402 56.6,26.2 r90 bottom
C260 "100n" C0402 44.9,26 r180 bottom
C261 "100n" C0402 38,26.2 r90 bottom
C262 "4u7" C0402 31.6,20.7 r180 bottom
C263 "4u7" C0402 41.1,13.375 r0 bottom
C264 "4u7" C0402 54.5,15.9 r180 top
C265 "100n" C0402 36.6,26.2 r90 bottom
C266 "100n" C0402 39.1,13.375 r180 bottom
C267 "100n" C0402 45.5,23.1 r180 top
C268 "100n" C0402 59.2,21.5 r0 top
C269 "100n" C0402 65.7,77.8 r0 bottom
C270 "100n" C0402 60.4,76.3 r270 bottom
C271 "1u" C0402 59.4,76.3 r90 bottom
C272 "100n" C0402 22.2,72.7 r0 bottom
C273 "100n" C0402 25.4,91.4 r90 bottom
C274 "100n" C0402 22.8,76.6 r90 bottom
C275 "100n" C0402 9.2,79 r270 bottom
C276 "100n" C0402 10.1,72.2 r90 bottom
C277 "100n" C0201 59.4,30.1 r270 top
C278 "10u" C0603 31.9,8.5 r270 bottom
C279 "100n" C0402 33.3,7.7 r270 bottom
C280 "10u" C0603 52.6,9.2 r0 top
C281 "100n" C0402 48.8,11 r90 top
C282 "100n" C0402 51.2,14.8 r0 bottom
C283 "100n" C0402 52.1,10.7 r180 top
C284 "100n" C0402 63.5,7.5 r90 bottom
C285 "100n" C0402 56.4,4.2 r270 bottom
C286 "270pF" C0402 62.5,9.1 r90 bottom
C287 "270pF" C0402 59.4,2 r270 bottom
C288 "100pF" C0402 61.9,6.3 r180 bottom
C289 "100pF" C0402 57.4,4.2 r270 bottom
C290 "220u, 4V" "C1206 -  TLN S CASE TANTAL" 55.6,6.4 r0 bottom
C291 "220u, 4V" "C1206 -  TLN S CASE TANTAL" 59.8,7.7 r270 bottom
C292 "100n" C0402 49.8,8.7 r180 top
C293 "1u" C0402 52.8,7.2 r270 bottom
C294 "100n" C0402 55.2,8.6 r90 bottom
C295 "270pF" C0402 57.5,10.6 r0 bottom
C296 "100n" C0402 40.5,8.4 r180 bottom
C297 "100n" C0201 58.4,28.2 r180 top
C298 "100n" C0402 11.6,49.9 r90 bottom
C299 "10u" C0603 63.1,46.2 r90 bottom
C300 "100n" C0402 63.3,43.6 r270 bottom
C301 "100n" C0402 65.5,66.4 r180 bottom
C302 "100n" C0402 68,66.3 r0 bottom
C303 "100n" C0402 63.3,66 r90 bottom
C304 "10uF / 16V" C0805 66.8,67.7 r180 top
C305 "100n" C0201 60.8,27 r90 top
C306 "100n" C0201 58.1,27.2 r90 top
C307 "100n" C0402 2.9,67 r270 top
C308 "100n" C0201 60.8,23.2 r180 top
C309 "100n" C0402 4,55.7 r180 bottom
C310 "100n" C0402 12.3,50.7 r0 top
C311 "100pF" C0402 3.8,45.5 r180 bottom
C312 "100pF" C0402 5.8,45.5 r0 bottom
C313 "10n" C0402 7.4,46.3 r270 bottom
C314 "100n" C0402 12.1,58.9 r90 bottom
C315 "100n" C0402 13.8,52.4 r90 top
C316 "100n" C0402 15.4,51.9 r180 top
C317 "100n" C0201 57.7,24.5 r180 top
C318 "100n" C0201 54.6,23.9 r90 top
C319 "100n" C0201 50.6,24.9 r180 top
C320 "100n" C0201 53.9,23.9 r90 top
C321 "22u" C0603 62.2,30.1 r90 top
C322 "100n" C0201 50.2,24.3 r180 top
C323 "100n" C0201 42.1,46.7 r270 top
C324 "100n" C0402 59.8,34 r0 bottom
C325 "100n" C0402 66.7,13 r90 bottom
C326 "1u" C0402 26.8,85.4 r180 top
C327 "2p2" C0201 41,50.5 r270 top
C328 "2p2" C0201 41.3,49.3 r0 top
C329 "100n" C0402 65.3,8.4 r180 top
C330 "1u" C0402 23.5,29 r0 bottom
C331 "2u2" C0402 23.4,30.2 r0 bottom
C332 "1u" C0402 24.2,23.3 r0 bottom
C333 "4u7" C0402 24,27.8 r0 bottom
C334 "2u2" C0402 25.6,24.6 r0 bottom
C335 "1u" C0402 29.5,24.1 r90 bottom
C336 "4u7" C0402 24.6,22.3 r0 bottom
C337 "2u2" C0402 28.1,21.8 r270 bottom
C338 "2u2" C0402 29.6,20.7 r180 bottom
C339 "1u" C0402 24,18.9 r180 top
C340 "100n" C0402 24,21.1 r180 top
C341 "100n" C0402 29.6,21.9 r180 bottom
C342 "100n" C0402 22.2,20.6 r270 top
C343 "470nF" C0402 31.6,21.8 r180 bottom
C344 "4u7" C0402 27.4,30 r0 bottom
C345 "100n" C0402 26.8,28.3 r270 bottom
C346 "100n" C0402 27.8,28.3 r270 bottom
C347 "4u7" C0402 28.8,28.3 r270 bottom
C348 "4u7" C0402 26.6,22.3 r180 bottom
C349 "100n" C0402 28.5,24.1 r90 bottom
C350 "100n" C0402 27.5,24.1 r90 bottom
C351 "4u7" C0402 27.6,25.9 r0 bottom
C352 "22u" C0603 32.9,33.4 r270 top
C353 "22u" C0603 30.4,35.1 r0 top
C354 "22u" C0603 31.3,32.8 r270 top
C355 "22u" C0603 29.7,32.8 r270 top
C356 "22u" C0603 32.2,19.7 r90 top
C357 "22u" C0603 30.6,19.7 r90 top
C358 "22u" C0603 32.2,16.7 r270 top
C359 "22u" C0603 30.6,16.7 r270 top
C360 "22u" C0603 21.6,33.3 r180 top
C361 "22u" C0603 21.6,34.7 r180 top
C362 "22u" C0603 18.6,29.4 r180 top
C363 "22u" C0603 18.6,30.8 r180 top
C364 "22u" C0603 18.1,23.3 r270 top
C365 "22u" C0603 19.5,23.3 r270 top
C366 "22u / 10V" C0603 34.4,29.6 r180 top
C367 "10uF / 16V" C0805 39.9,23.6 r0 top
C368 "100n" C0402 37.6,24.2 r90 top
C369 "4u7" C0402 25.4,30 r180 bottom
C370 "100n" C0402 25.7,28.3 r270 bottom
C371 "100n" C0402 25.6,25.7 r0 bottom
C372 "4u7" C0402 23.4,24.9 r180 bottom
C373 "4u7" C0402 23.4,26 r180 bottom
C374 "100n" C0402 25.6,26.8 r0 bottom
C375 "1u" C0402 29.7,25.9 r180 bottom
C376 "10uF / 16V" C0805 34.1,26.1 r0 bottom
C377 "1u" C0402 31.2,27 r180 bottom
C378 "220n" C0402 30.3,28.2 r180 bottom
C379 "1u" C0402 31.6,25.5 r270 bottom
C380 "100n" C0402 30.3,29.4 r180 bottom
C381 "22u" C0603 30.3,16.7 r270 bottom
C382 "100n" C0402 2.7,31.4 r90 bottom
C383 "100n" C0402 50.7,28.4 r270 bottom